# KiCad board Soldermander.kicad_pcb (continued)
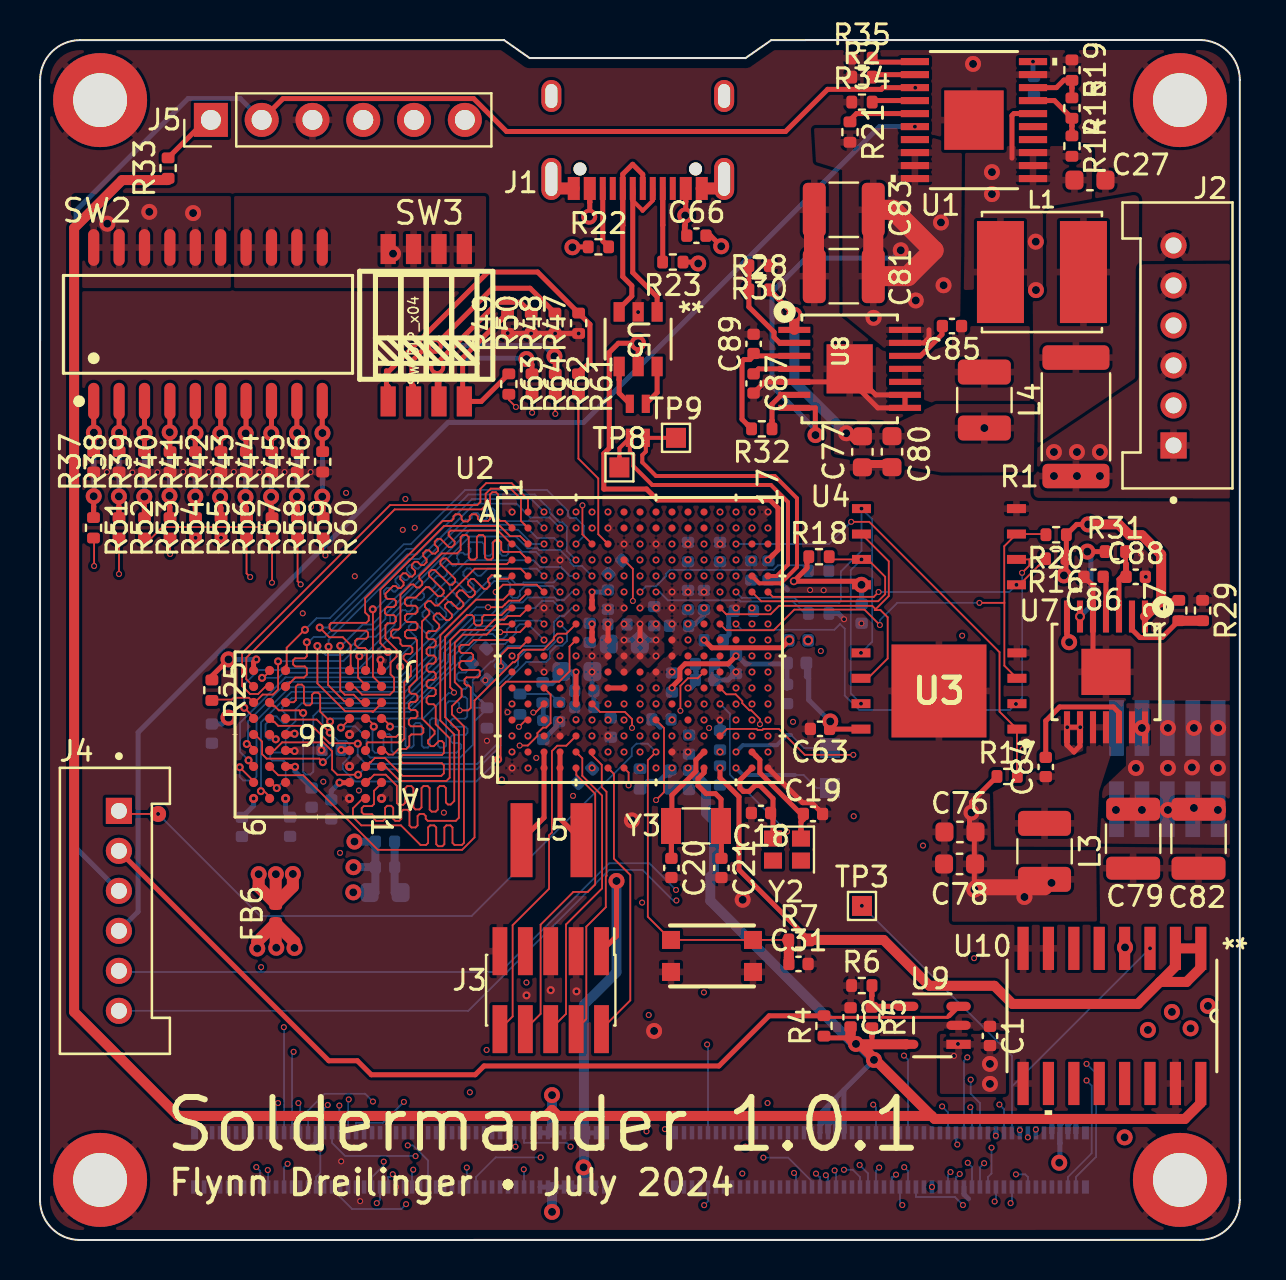
[diagram p0: board, top side]
## Routing (per net, layer and track width the routed paths; a pad name or vN(x,y) marks a point on that pad's centre or on a via; arc(x,y) is an arc through that point) (continued)
EN_LP: length 48.2
  Top w0.15: 45.46,11.21 45.38,11.13 39.28,11.13 39.2,11.21
  Top w0.25: 45.46,11.21 U9.3 ; 39.21,11.21 39.2,11.21 36.46,11.21 33.95,8.7 22.2,8.7 21.76,8.26 16.57,8.26 15.87,8.96 14.44,8.96 J4.2 ; 39.21,11.21 R4.2 ; 39.21,11.21 39.24,11.17
ENET_RGMII_MDC: length 26.7
  Top w0.09: U2.U2 24.41,23.6 v1(24.41,23.59)
  In2.Cu w0.09: v1(24.41,23.59) 10.82,10 v1(10.82,3.65)
  Bottom w0.09: J7.85 11.01,3.46 v1(10.82,3.65)
ENET_RGMII_RX_EN: length 36.9
  Top w0.09: U2.E13 33.21,33.21 v1(33.21,33.21)
  In1.Cu w0.09: v1(26.53,4.67) 29.97,4.67 30.62,5.31 30.62,6.02 30.1,6.54 30.1,16.44 30.41,16.75 30.41,26.99 30.31,27.09 30.31,27.8 31.32,28.81 31.32,29.42 32.31,30.41 32.5,30.41 32.81,30.72 32.81,32.81 v1(33.21,33.21)
  Bottom w0.09: v1(26.53,4.67) 26.34,4.86 24.21,4.86 J7.20
ENET_RGMII_RXC: length 36.2
  Top w0.09: U2.D13 33.21,34.01 v1(33.21,34.01)
  In1.Cu w0.09: v1(23.78,4.67) 24.63,3.82 25.2,3.82 27.68,6.29 27.68,21.31 28.73,22.36 28.73,27.5 30.41,29.18 30.41,30.05 30.76,30.41 30.86,30.41 31.21,30.76 31.21,31.68 31.54,32.01 31.66,32.01 32.01,32.36 32.01,32.46 32.24,32.69 32.32,32.69 32.87,33.25 32.87,33.68 v1(33.21,34.01)
  Bottom w0.09: v1(23.78,4.67) 23.81,4.7 J7.22
ENET_RGMII_RXD0: length 0
  Top w0.09: v1(31.6,34) U2.D11
ENET_RGMII_RXD1: length 0
  Top w0.09: v1(31.6,33.2) U2.E11
ENET_RGMII_RXD2: length 0
  Top w0.09: v1(30.81,33.2) U2.E10
ENET_RGMII_RXD3: length 0
  Top w0.09: v1(31.6,34.8) U2.C11
ENET_RGMII_TX_EN_BT: length 26.7
  Top w0.09: v1(7.78,35.12) R55.2 ; v1(34.01,35.61) U2.B14 v1(34.01,35.61)
  In2.Cu w0.09: v1(7.78,35.12) 8.14,34.76 24.61,34.76 24.94,35.09 33.49,35.09 v1(34.01,35.61)
ENET_RGMII_TXC_BT: length 25.5
  Top w0.09: v1(9.05,35.12) R56.2 ; v1(34.01,36.41) U2.A14 v1(34.01,36.41)
  In2.Cu w0.09: v1(9.05,35.12) 10.04,36.11 33.71,36.11 v1(34.01,36.41)
ENET_RGMII_TXD0_BT: length 27.7
  Top w0.09: 6.5,35.12 R54.2 6.5,34.31 v1(6.51,34.31) ; v1(33.21,34.81) U2.C13 v1(33.21,34.81)
  In2.Cu w0.09: v1(33.21,34.81) 32.92,34.52 29.09,34.52 29.09,34.52 26.93,34.52 26.92,34.52 26.69,34.52 26.68,34.52 26.13,34.52 26.12,34.52 25.89,34.52 25.89,34.52 25.33,34.52 25.32,34.52 25.09,34.52 25.09,34.52 6.72,34.52 v1(6.51,34.31)
ENET_RGMII_TXD1_BT: length 30.1
  Top w0.09: 5.24,35.12 R53.2 ; 5.24,35.12 5.58,35.12 6.12,35.66 v1(11.06,35.66) ; 5.24,35.12 5.23,35.12 ; v1(34.81,36.41) U2.A15 v1(34.81,36.41)
  In2.Cu w0.09: v1(34.81,36.41) 34.33,35.93 11.33,35.93 v1(11.06,35.66)
ENET_RGMII_TXD2_BT: length 30.5
  Top w0.09: 3.95,35.12 R52.2 v1(3.95,33.31) ; v1(32.41,33.21) U2.E12 v1(32.41,33.21)
  In2.Cu w0.09: v1(3.95,33.31) 4.15,33.5 30.56,33.5 30.64,33.58 32.03,33.58 v1(32.41,33.21)
ENET_RGMII_TXD3_BT: length 29.7
  Top w0.09: v1(2.71,33.71) 2.71,35.08 R51.2 ; v1(30.81,34.01) U2.D10 v1(30.81,34.01)
  In2.Cu w0.09: v1(30.81,34.01) 30.48,33.68 2.73,33.68 v1(2.71,33.71)
FlexSPI_A_CLK: length 17.5
  Top w0.09: 41.83,31.5 41.74,31.5 41.79,31.55 ; 41.83,31.5 42.03,31.5 42.39,31.14 42.39,29.08 41.4,28.09 U3.6 ; 41.83,31.5 41.79,31.55 ; U2.G14 34.32,31.29 36.53,31.29 36.95,31.71 41.62,31.71 41.79,31.55 ; 41.79,31.55 42.45,32.21 42.45,33.94 41.08,35.31 U4.6
FlexSPI_A_D0: length 18.2
  Top w0.09: v1(41.08,36.58) U4.5 ; v1(34.81,32.41) U2.F15 v1(34.81,32.41)
  Bottom w0.09: v1(34.81,32.41) 35.1,32.11 37.73,32.11 37.97,31.87 39.97,31.87 40.05,31.95 40.05,33.43 41.08,34.46 v1(41.08,36.58) 41.62,36.04 41.62,29.92 v1(41.06,29.36)
FlexSPI_A_D1: length 26.3
  Top w0.09: v1(49.11,33.37) 49.48,33.73 49.48,34.04 U4.2 ; U3.2 48.84,26.81 v1(48.81,26.81) ; U3.2 48.86,26.82 U3.2
  Bottom w0.09: v1(34.81,30.81) 35.09,30.52 39.72,30.52 40.01,30.8 40.25,30.57 40.25,27.23 40.97,26.51 48.51,26.51 v1(48.81,26.81) 49.12,27.12 49.12,33.37 v1(49.11,33.37)
FlexSPI_A_D2: length 25
  Top w0.09: 50.31,35.27 R20.2 50.31,35.27 ; 50.31,35.27 50.29,35.29 ; 48.23,31.86 v1(46.98,31.86) ; 48.23,31.86 48.23,32.41 48.22,32.41 48.22,34.7 U4.3 50.27,35.31 50.29,35.29 ; 48.23,31.86 48.23,28.72 48.86,28.09 ; v1(42,30.75) 41.23,31.52 37.72,31.52 36.69,30.49 34.32,30.49 U2.H14 ; 50.29,35.29 50.3,35.29 50.32,35.27 ; 48.86,28.09 U3.3 48.86,28.09
  Bottom w0.09: v1(42,30.75) 42,30.99 42.87,31.86 v1(46.98,31.86)
FlexSPI_A_D3: length 18.8
  Top w0.09: 35.61,32.41 U2.F16 35.61,32.41 ; 35.61,32.41 36.07,31.95 41.92,31.95 42.27,32.3 42.27,33.17 41.4,34.04 v1(41.08,34.04) U4.7 39.59,34.04 39.47,34.16 ; 39.47,34.16 39.46,34.17 ; 39.47,34.16 R18.2
  Bottom w0.09: v1(41.06,26.82) 40.55,27.33 40.55,33.5 v1(41.08,34.04)
FlexSPI_A_SS0: length 15.3
  Top w0.09: 49.93,33.71 49.94,33.71 50.3,34.07 ; 49.93,33.71 R16.2 ; 49.93,33.71 48.98,32.77 v1(48.83,32.77) ; v1(41.94,32.41) 41.7,32.17 36.65,32.17 36.52,32.29 36.46,32.35 36.41,32.41 U2.F17
  Bottom w0.09: v1(48.83,32.77) 48.47,32.41 v1(41.94,32.41)
FlexSPI_A_SS1: length 22.9
  Top w0.09: 48.87,23.19 48.87,23.18 ; 48.87,23.19 48.86,23.2 U3.1 ; 48.87,23.19 R17.2 ; 48.86,25.55 U3.1 ; 48.86,25.55 U3.1 ; 48.86,25.55 47.99,26.42 47.99,29.4 41.47,35.92 v1(40.57,35.92) ; v1(34.81,34.81) U2.C15
  Bottom w0.09: v1(34.81,34.81) 39.46,34.81 v1(40.57,35.92)
GPIO_AD_00: length 32.5
  Top w0.09: U2.N12 32.41,26.81 v1(32.41,26.81)
  In1.Cu w0.09: v1(46.71,14.1) 46.84,13.96 46.84,4.21 v1(47.21,3.84)
  In4.Cu w0.09: v1(46.71,14.1) 46.71,16.12 36.39,26.45 32.78,26.45 v1(32.41,26.81)
  Bottom w0.09: v1(47.21,3.84) 47.01,3.63 J6.25
GPIO_AD_01: length 31.5
  Top w0.09: U2.R14 34.36,25.56 35.84,25.56 35.89,25.51 36.12,25.51 36.17,25.56 36.95,25.56 38.25,24.26 v1(40.67,24.26)
  In1.Cu w0.09: v1(46.39,3.86) 46.38,3.86 44.44,5.8 44.44,20.49 v1(40.67,24.26)
  Bottom w0.09: v1(46.39,3.86) 46.61,3.65 J6.27
GPIO_AD_02: length 30.2
  Top w0.09: U2.R13 33.21,25.21 v1(33.21,25.21)
  In1.Cu w0.09: v1(33.2,12.38) 33.2,25.21 v1(33.21,25.21)
  In4.Cu w0.09: v1(45.99,3.3) 45.99,3.34 43.92,5.42 42,5.42 35.04,12.38 v1(33.2,12.38)
  Bottom w0.09: J6.31 45.81,3.15 45.84,3.15 v1(45.99,3.3)
GPIO_AD_03: length 28.5
  In1.Cu w0.09: v1(40.69,21.19) 43.8,18.08 43.8,5.13 v1(45.53,3.4)
  In4.Cu w0.09: v1(34.81,26.01) 35.21,25.61 35.66,25.61 36.01,25.26 36.01,25.16 36.36,24.81 37.08,24.81 v1(40.69,21.19)
  Bottom w0.09: v1(45.53,3.4) 45.41,3.27 J6.33
GPIO_AD_06: length 36.5
  Top w0.09: U2.N13 33.21,26.8 v1(33.22,26.8)
  In1.Cu w0.09: v1(46.15,1.75) 46.31,1.91 46.31,3.4 44.16,5.55 v1(44.16,19.73)
  In4.Cu w0.09: v1(44.16,19.73) 43.4,19.73 36.72,26.41 36.72,26.98 36.55,27.15 33.56,27.15 v1(33.22,26.8)
  Bottom w0.09: J6.41 43.81,2.15 45.75,2.15 v1(46.15,1.75)
GPIO_AD_07: length 26.8
  In1.Cu w0.09: v1(36.41,24.41) 36.38,24.38 v1(36.38,6.85)
  In4.Cu w0.09: v1(43.22,3.64) 40.01,6.85 v1(36.38,6.85)
  Bottom w0.09: v1(43.22,3.64) 43.41,3.45 J6.43
GPIO_AD_08: length 31.1
  In1.Cu w0.09: v1(43.12,1.75) 38.07,1.75 35.56,4.26 35.56,4.79 35.41,4.94 35.41,11.81 34.52,12.7 34.52,24.92 v1(34.81,25.21)
  Bottom w0.09: v1(43.12,1.75) 43.01,1.87 J6.45
GPIO_AD_09: length 27.9
  In1.Cu w0.09: v1(42.81,3.27) 40.08,5.99 40.08,23.49 v1(37.66,25.91)
  In2.Cu w0.09: v1(35.61,25.21) 35.82,25.21 36.22,25.61 37.35,25.61 v1(37.66,25.91)
  Bottom w0.09: J6.47 42.61,3.15 42.69,3.15 v1(42.81,3.27)
GPIO_AD_10: length 28.2
  In1.Cu w0.09: v1(36.41,25.21) 36.1,24.9 36.1,5.59 38.97,2.71 41.06,2.71 v1(41.97,3.62)
  Bottom w0.09: v1(41.97,3.62) 41.81,3.46 J6.51
GPIO_AD_11: length 26.8
  In1.Cu w0.09: v1(40.99,3.75) 38.98,5.76 38.98,23.91 36.59,26.31 35.91,26.31 v1(35.61,26.01)
  Bottom w0.09: v1(40.99,3.75) 41.41,3.33 J6.53
GPIO_AD_12: length 25.5
  In1.Cu w0.09: v1(40.2,3.51) 38.03,5.69 38.03,24.39 v1(36.41,26.01)
  Bottom w0.09: J6.55 41.01,3.15 40.64,3.51 v1(40.2,3.51)
GPIO_AD_14: length 26.6
  Top w0.09: v1(34.01,26.81) 34.01,26.81 U2.N14
  In1.Cu w0.09: v1(37.36,20.42) 37.36,5.86 v1(39.74,3.48)
  Bottom w0.09: J6.61 39.81,3.41 v1(39.74,3.48) ; v1(37.36,20.42) 34.5,23.28 34.5,26.32 v1(34.01,26.81)
GPIO_AD_15: length 27.7
  Top w0.09: U2.M14 34.32,27.29 34.79,27.29 35.12,26.96 35.12,26.85 35.47,26.49 35.57,26.49 36,26.05 v1(36,25.8)
  In1.Cu w0.09: v1(36,25.8) 36.13,25.67 36.41,25.67 36.72,25.36 36.72,5.82 v1(39.3,3.24)
  Bottom w0.09: v1(39.3,3.24) 39.39,3.15 39.41,3.15 J6.63
GPIO_AD_16: length 29
  Top w0.09: v1(36.41,26.81) 36.41,26.81 U2.N17
  In1.Cu w0.09: v1(36.41,26.81) 36.41,26.75 39.85,23.32 39.85,5.73 41.31,4.27 41.31,3.58 40.65,2.93 39.2,2.93 v1(38.81,3.32)
  Bottom w0.09: v1(38.81,3.32) 38.98,3.15 39.01,3.15 J6.65
GPIO_AD_17: length 26.5
  Top w0.09: U2.N15 34.81,26.8 v1(34.81,26.79)
  In1.Cu w0.09: v1(34.81,26.79) 35.14,26.47 35.14,19.73 35.69,19.17 35.69,4.91 36.17,4.43 v1(36.17,4.12)
  Bottom w0.09: v1(36.17,4.12) 37.41,4.12 38.61,2.92 J6.67
GPIO_AD_18: length 26.5
  Top w0.09: U2.M16 35.61,27.61 v1(35.6,27.61)
  In1.Cu w0.09: v1(35.6,27.61) 35.9,27.31 35.9,26.65 35.59,26.34 35.5,26.34 35.32,26.16 35.32,25.81 35.63,25.49 35.72,25.49 35.89,25.32 35.89,5.17 v1(37.71,3.35)
  Bottom w0.09: v1(37.71,3.35) 37.81,3.25 J6.71
GPIO_AD_19: length 0
  Top w0.09: U2.L16 v1(35.6,28.4)
GPIO_AD_23: length 0
  Top w0.09: U2.J12 32.41,30.01 v1(32.41,30.01)
GPIO_AD_27: length 0
  Top w0.09: v1(35.61,26.8) U2.N16
GPIO_AD_28: length 30.1
  Top w0.09: U2.L17 v1(36.41,28.4)
  In1.Cu w0.09: v1(36.41,28.4) 36.01,28.01 35.53,28.01 35.24,27.72 35.24,27.59 34.95,27.31 34.87,27.31 34.33,26.77 34.33,11.69 35.15,10.87 35.15,4.8 v1(35.28,4.67)
  In4.Cu w0.09: v1(35.28,4.67) 33.21,2.61 v1(33.21,1.74)
  Bottom w0.09: J6.93 33.41,1.94 v1(33.21,1.74)
GPIO_AD_29: length 0
  Top w0.09: v1(36.4,27.6) U2.M17
GPIO_AD_30: length 0
  Top w0.09: U2.K17 v1(36.4,29.21)
GPIO_AD_31: length 0
  Top w0.09: U2.J17 v1(36.4,30)
GPIO_AD_32: length 0
  Top w0.09: v1(35.6,29.21) U2.K16
GPIO_AD_33: length 27
  Top w0.09: v1(36.41,30.8) U2.H17
  In1.Cu w0.09: v1(33.36,9.78) 33.5,9.91 33.5,25.57 v1(33.46,25.6)
  In2.Cu w0.09: v1(33.46,25.6) 33.51,25.66 33.51,28.38 35.54,30.41 36.01,30.41 v1(36.41,30.8)
  Bottom w0.09: v1(33.36,9.78) 33.41,9.74 J6.94
GPIO_AD_34: length 0
  Top w0.09: U2.J16 35.61,30 v1(35.62,30)
GPIO_AD_35: length 0
  Top w0.09: v1(36.41,31.6) U2.G17
GPIO_DISP_B2_00: length 21
  Top w0.09: R57.2 10.33,33.33 v1(10.51,33.15) ; v1(29.21,33.21) 29.21,33.21 U2.E8
  In2.Cu w0.09: v1(29.21,33.21) 28.88,32.88 13.6,32.88 13.32,33.16 10.51,33.16 v1(10.51,33.15)
GPIO_DISP_B2_01: length 20.4
  Top w0.09: v1(11.6,32.87) 11.6,32.88 R58.2 ; U2.F8 29.21,32.41 v1(29.21,32.41)
  In2.Cu w0.09: v1(11.6,32.87) 11.61,32.86 11.61,32.85 12.52,31.94 28.74,31.94 v1(29.21,32.41)
GPIO_DISP_B2_02: length 19.6
  Top w0.09: U2.E9 30.01,33.21 v1(30.01,33.21) ; R59.2 12.88,32.94 v1(13.03,32.79)
  In2.Cu w0.09: v1(13.03,32.79) 13.12,32.7 29.5,32.7 v1(30.01,33.21)
GPIO_DISP_B2_03: length 15.3
  Top w0.09: v1(14.27,34.24) 14.16,34.35 R60.2
  In2.Cu w0.09: 14.26,34.22 v1(14.27,34.24) 14.33,34.29 27.11,34.29 27.16,34.34 27.82,34.34 28.16,34.01 v1(28.41,34.01)
GPIO_DISP_B2_04: length 9.8
  Top w0.09: 28.25,34.96 28.33,34.88 ; 28.25,34.96 27.92,35.29 27.92,38.08 26.93,39.08 26.93,40.9 ; 28.25,34.96 28.41,34.81 ; 28.33,34.88 U2.C7 28.33,34.88 ; 26.93,40.9 26.93,42.31 ; 26.93,40.9 R61.2
GPIO_DISP_B2_05: length 9.9
  Top w0.09: v1(25.77,41.31) 25.77,41.46 25.77,41.47 R62.2 ; v1(30.01,34.8) U2.C9
  In1.Cu w0.09: v1(30.01,34.8) 28.92,35.89 28.19,35.89 27.89,36.19 27.89,36.52 26.1,38.31 25.77,38.31 v1(25.77,41.31)
GPIO_DISP_B2_06: length 43.2
  Top w0.09: v1(27.13,36.74) 27.13,35.29 U2.C6
  In1.Cu w0.09: v1(18.74,35.62) 18.74,22.87 18.61,22.74 18.61,7.32 v1(18.2,6.91)
  In4.Cu w0.09: v1(27.13,36.74) 19.86,36.74 v1(18.74,35.62)
  Bottom w0.09: J7.62 15.81,5.86 17.15,5.86 v1(18.2,6.91)
GPIO_DISP_B2_07: length 34.9
  Top w0.09: U2.D6 27.61,34.01 v1(27.61,34.01)
  In1.Cu w0.09: v1(15.44,7.03) 16.29,7.88 16.29,22.13 v1(15.95,22.48)
  In4.Cu w0.09: v1(15.95,22.48) 16.29,22.48 21.18,27.37 21.18,28.02 25.25,32.09 26.1,32.09 26.47,32.46 26.47,33.3 26.89,33.72 27.31,33.72 v1(27.61,34.01)
  Bottom w0.09: J7.64 15.41,6.99 v1(15.44,7.03)
GPIO_DISP_B2_08: length 41.1
  Top w0.09: U2.B5 26.81,35.61 v1(26.81,35.61)
  In1.Cu w0.09: v1(14.97,6.72) 15.13,6.56 15.5,6.56 17.85,8.92 17.85,28.35 17.68,28.53 17.68,28.81 18.14,29.28 v1(18.14,35.51)
  In2.Cu w0.09: v1(26.81,35.61) 26.5,35.31 18.35,35.31 v1(18.14,35.51)
  Bottom w0.09: v1(14.97,6.72) 14.97,5.9 15.01,5.86 J7.66
GPIO_DISP_B2_09: length 40.9
  Top w0.09: v1(29.65,31.96) 29.65,33.56 U2.D8
  In1.Cu w0.09: v1(23.1,23.03) 23.1,8.51 v1(18.78,4.19)
  In2.Cu w0.09: v1(23.1,23.03) 23.1,23.5 24.04,24.44 24.11,24.44 24.27,24.61 24.27,24.67 27.1,27.5 27.1,28.36 27.6,28.86 27.67,28.86 28.66,29.85 28.66,29.99 29.07,30.41 30.07,30.41 30.3,30.63 30.3,31.77 30.1,31.96 v1(29.65,31.96)
  Bottom w0.09: J7.68 14.61,4.86 15.26,4.21 18.77,4.21 v1(18.78,4.19)
GPIO_DISP_B2_10: length 37.1
  Top w0.09: v1(30,34.01) U2.D9
  In1.Cu w0.09: v1(15,19.36) 14.39,18.74 v1(14.39,6.75)
  In4.Cu w0.09: v1(30,34.01) 29.61,33.62 29.61,33.16 29.26,32.81 29.16,32.81 28.7,32.35 28.7,32.25 28.46,32.01 27.83,32.01 26.91,31.09 25.81,31.09 25.6,30.89 25.6,30.76 25.25,30.41 23.91,30.41 21.65,28.14 21.65,27.57 15,20.92 v1(15,19.36)
  Bottom w0.09: J7.70 14.21,6.57 v1(14.39,6.75)
GPIO_DISP_B2_11: length 45.6
  Top w0.09: v1(27.61,36.4) U2.A6
  In1.Cu w0.09: v1(18.27,37.06) 18.45,36.88 18.45,22.83 18.43,22.82 18.43,8.7 v1(16.65,6.92)
  In4.Cu w0.09: v1(18.27,37.06) 27.21,37.06 27.61,36.66 v1(27.61,36.4)
  Bottom w0.09: J7.74 13.41,6.48 14.24,7.31 16.26,7.31 v1(16.65,6.92)
GPIO_DISP_B2_12: length 42
  Top w0.09: U2.B6 27.61,35.6 v1(27.62,35.6)
  In1.Cu w0.09: v1(12.92,6.85) 13.73,7.65 13.73,26.28 15.59,28.15 15.59,33.05 v1(15.74,33.19)
  In4.Cu w0.09: v1(27.62,35.6) 27.23,35.21 25.95,35.21 25.72,34.98 25.72,34.89 25.12,34.29 16.84,34.29 v1(15.74,33.19)
  Bottom w0.09: J7.76 13.01,6.76 v1(12.92,6.85)
GPIO_DISP_B2_13: length 45.1
  Top w0.09: v1(26.8,36.41) U2.A5
  In1.Cu w0.09: v1(12.68,9.41) 13.53,10.26 13.53,26.34 15.39,28.2 15.39,37.28 v1(15.31,37.36)
  In2.Cu w0.09: v1(15.31,37.36) 25.85,37.36 v1(26.8,36.41)
  Bottom w0.09: v1(12.68,9.41) 12.61,9.34 J7.78
GPIO_DISP_B2_14: length 44.1
  Top w0.09: v1(28.4,36.41) U2.A7
  In1.Cu w0.09: v1(12.19,10.64) 13.26,11.71 13.26,25.46 12.82,25.9 12.82,31.02 v1(13.14,31.34)
  In4.Cu w0.09: v1(13.14,31.34) 16.89,35.09 25.12,35.09 25.72,35.69 25.72,35.73 26,36 27.99,36 v1(28.4,36.41)
  Bottom w0.09: v1(12.19,10.64) 12.21,10.63 J7.80
GPIO_DISP_B2_15: length 46
  Top w0.09: U2.A4 v1(26,36.4)
  In1.Cu w0.09: v1(11.9,6.85) 10.29,8.47 10.29,22.44 12.29,24.44 12.29,35.4 v1(13.55,36.67)
  In2.Cu w0.09: v1(26,36.4) 25.67,36.73 14.47,36.73 14.34,36.6 13.62,36.6 v1(13.55,36.67)
  Bottom w0.09: J7.82 11.81,6.75 v1(11.9,6.85)
GPIO_EMC_B1_40: length 31.4
  Top w0.09: U2.K1 23.61,29.21 v1(23.61,29.21)
  In4.Cu w0.09: v1(41.67,6.77) 32.11,16.33 32.11,19.61 26.39,25.33 26.39,26.43 v1(23.61,29.21)
  Bottom w0.09: J6.52 41.81,6.63 v1(41.67,6.77)
GPIO_EMC_B2_01: length 32.3
  Top w0.09: v1(26,29.21) U2.K4
  In1.Cu w0.09: v1(20.2,21.37) 20.2,6.54 v1(18.39,4.73)
  In4.Cu w0.09: v1(26,29.21) 25.68,29.53 23.35,29.53 21.98,28.17 21.98,23.16 v1(20.2,21.37)
  Bottom w0.09: v1(18.39,4.73) 18.65,4.73 19.41,3.98 J7.43
GPIO_EMC_B2_03: length 24.7
  Top w0.09: U2.R1 23.61,25.21 v1(23.6,25.21)
  In1.Cu w0.09: v1(23.6,25.21) 23.29,24.9 23.29,23.24 23.38,23.15 23.38,8.24 v1(18.66,3.52)
  Bottom w0.09: v1(18.66,3.52) 18.61,3.46 J7.47
GPIO_EMC_B2_05: length 31.9
  Top w0.09: v1(23.6,26.81) 23.61,26.81 U2.N1
  In1.Cu w0.09: v1(17.64,3.29) 17.37,3.29 16.88,3.79 16.88,5.12 18.85,7.1 18.85,22.73 20.55,24.43 20.55,24.54 23.29,27.28 24.17,27.28 24.96,26.5 24.96,26.25 24.75,26.04 24.37,26.04 v1(23.6,26.81)
  Bottom w0.09: v1(17.64,3.29) 17.5,3.15 17.41,3.15 J7.53
GPIO_EMC_B2_06: length 26.9
  Top w0.09: U2.T1 23.61,24.41 v1(23.6,24.41)
  In1.Cu w0.09: v1(23.6,24.41) 23.92,24.09 23.92,8.36 17.4,1.84 v1(16.84,1.84)
  Bottom w0.09: v1(16.84,1.84) 17.01,2.01 J7.55
GPIO_EMC_B2_07: length 29.4
  Top w0.09: U2.M3 25.53,27.28 25.53,25.85 25.31,25.63 25.15,25.63 24.87,25.35 24.87,25.21 24.4,24.73 v1(23.99,24.73)
  In1.Cu w0.09: v1(24.33,12.88) 24.11,13.1 24.11,24.61 v1(23.99,24.73)
  In4.Cu w0.09: v1(17.19,3.92) 17.19,4.06 21.18,8.05 21.18,9.77 24.28,12.88 v1(24.33,12.88)
  Bottom w0.09: J7.57 16.61,3.15 17.19,3.73 v1(17.19,3.92)
GPIO_EMC_B2_10: length 30.4
  Top w0.09: U2.R2 24.41,25.21 v1(24.4,25.21)
  In1.Cu w0.09: v1(18.31,1.79) 24.73,8.21 24.73,23.79 24.4,24.12 v1(24.4,25.21)
  Bottom w0.09: J7.65 15.01,2.15 15.61,1.55 18.06,1.55 v1(18.31,1.79)
GPIO_EMC_B2_13: length 35.7
  Top w0.09: U2.K5 26.81,29.21 v1(26.81,29.21)
  In1.Cu w0.09: v1(14.17,22.92) 14.02,22.77 v1(14.02,4.56)
  In2.Cu w0.09: v1(26.81,29.21) 25.09,27.49 22.68,27.49 19.24,24.05 15.3,24.05 v1(14.17,22.92)
  Bottom w0.09: v1(14.02,4.56) 14.02,3.36 13.81,3.15 J7.71
GPIO_EMC_B2_16: length 31.2
  Top w0.09: U2.P2 24.29,26.01 v1(23.95,25.66)
  In1.Cu w0.09: v1(22.33,9.5) 22.33,24.42 23.58,25.66 v1(23.95,25.66)
  In2.Cu w0.09: v1(12.38,3.81) 14.3,3.81 19.99,9.5 v1(22.33,9.5)
  Bottom w0.09: J7.79 12.21,3.64 v1(12.38,3.81)
GPIO_EMC_B2_18: length 35.3
  Top w0.09: v1(24.67,26.38) 24.78,26.38 U2.N3
  In1.Cu w0.09: v1(24.67,26.38) 23.95,27.1 23.46,27.1 21.5,25.13 v1(21.5,7.39)
  In2.Cu w0.09: v1(21.5,7.39) 19.38,7.39 15.49,3.5 v1(11.39,3.5)
  Bottom w0.09: v1(11.39,3.5) 11.41,3.48 J7.83
GPIO_LPSR_00: length 39.3
  Top w0.09: v1(29.61,25.61) 29.61,26.05 29.25,26.41 28.01,26.41 U2.N6
  In4.Cu w0.09: v1(52.34,8.81) 51.49,8.81 35.55,24.75 33.24,24.75 32.81,25.18 32.81,25.26 32.46,25.61 v1(29.61,25.61)
  Bottom w0.09: v1(52.34,8.81) 52.81,8.33 52.81,4.16 51.81,3.15 J6.1
GPIO_LPSR_01: length 38
  Top w0.09: U2.R6 27.61,25.21 v1(27.6,25.21)
  In2.Cu w0.09: v1(27.6,25.21) 27.6,24.81 29.39,23.02 37.29,23.02 v1(52.34,7.98)
  Bottom w0.09: J6.3 51.41,3.15 52.59,4.34 52.59,7.72 v1(52.34,7.98)
GPIO_LPSR_02: length 18.6
  Top w0.09: v1(27.61,26) U2.P6 ; R63.2 23.45,42.01 v1(23.8,41.66)
  In1.Cu w0.09: v1(27.61,26) 25.49,28.12 25.49,40.89 24.73,41.66 v1(23.8,41.66)
GPIO_LPSR_03: length 19.9
  Top w0.09: v1(28.41,24.41) 28.41,24.41 U2.T7 ; v1(24.61,41.37) 24.61,41.4 24.61,41.41 R64.2
  In1.Cu w0.09: v1(28.41,24.41) 27.81,24.41 26.29,25.93 26.29,26.12 26.13,26.29 25.93,26.29 24.61,27.61 v1(24.61,41.37)
GPIO_LPSR_04: length 0
  Top w0.09: U2.N7 28.41,26.81 v1(28.41,26.81)
GPIO_LPSR_05: length 33.6
  Top w0.09: v1(29.21,26.81) 29.21,26.81 U2.N8
  In4.Cu w0.09: v1(29.21,26.81) 28.89,26.5 28.89,24.32 29.09,24.12 29.92,24.12 30.4,23.64 30.4,23.53 46.97,6.97 46.97,5.64 47.7,4.91 47.82,4.91 48.8,3.92 v1(48.8,3.28)
  Bottom w0.09: J6.13 49.41,3.15 49.27,3.28 v1(48.8,3.28)
GPIO_LPSR_06: length 0
  Top w0.09: U2.P8 v1(29.21,26)
GPIO_LPSR_07: length 33.4
  Top w0.09: v1(29.2,25.21) 29.21,25.21 U2.R8
  In4.Cu w0.09: v1(29.2,25.21) 29.71,24.7 30.16,24.7 30.4,24.46 30.4,24.36 30.86,23.9 30.97,23.9 31.19,23.67 31.19,23.27 45.73,8.73 46.27,8.73 46.84,8.16 46.84,7.47 48.54,5.77 48.54,4.99 49.15,4.38 49.15,2.45 v1(48.54,1.84)
  Bottom w0.09: v1(48.54,1.84) 48.61,1.91 J6.17
GPIO_LPSR_08: length 30.2
  Top w0.09: v1(29.44,22.74) 29.44,23.38 U2.U8
  In4.Cu w0.09: v1(47.74,1.93) 47.74,2.06 43.04,6.76 43.04,6.92 42.87,7.09 42.71,7.09 33.32,16.47 33.32,18.85 v1(29.44,22.74)
  Bottom w0.09: J6.21 47.81,1.99 v1(47.74,1.93)
GPIO_LPSR_09: length 32.8
  Top w0.09: U2.P5 26.81,26.03 v1(26.8,26.03)
  In4.Cu w0.09: v1(47.59,4.62) 45.39,6.81 45.39,7.82 30.93,22.29 30.66,22.29 29.01,23.94 28.43,23.94 27.9,24.47 27.9,25.37 27.65,25.61 27.22,25.61 v1(26.8,26.03)
  Bottom w0.09: v1(47.59,4.62) 47.59,3.33 47.41,3.15 J6.23
GPIO_SD_B1_00: length 35.1
  Top w0.09: U2.B16 35.61,35.61 v1(35.61,35.61)
  In1.Cu w0.09: v1(35.61,35.61) 36.79,34.44 36.79,32.67 45.43,24.03 45.43,14.18 46.19,13.41 46.19,9.69 46.06,9.56 46.06,8.49 v1(46.54,8.02)
  Bottom w0.09: v1(46.54,8.02) 46.54,7.31 47.01,6.85 J6.26
GPIO_SD_B1_01: length 33.6
  Top w0.09: U2.D15 34.81,34.01 v1(34.81,34.01)
  In1.Cu w0.09: v1(34.81,34.01) 34.98,34.01 45.22,23.78 45.22,7.95 v1(46.52,6.64)
  Bottom w0.09: v1(46.52,6.64) 46.61,6.56 J6.28
GPIO_SD_B1_03: length 34.5
  Top w0.09: U2.B17 v1(36.4,35.6)
  In1.Cu w0.09: v1(36.4,35.6) 37.14,34.87 37.14,32.78 45.63,24.29 45.63,15.94 46.37,15.19 v1(46.37,9.13)
  Bottom w0.09: J6.30 46.21,8.97 v1(46.37,9.13)
GPIO_SD_B1_04: length 36.6
  Top w0.09: v1(34.81,35.61) 34.81,35.61 U2.B15
  In1.Cu w0.09: v1(45.87,4.77) 44.81,5.84 44.81,22.07 37.86,29.02 37.86,30.65 34.79,33.73 34.69,33.73 34.52,33.9 34.52,34.13 34.69,34.3 34.81,34.3 35.1,34.59 35.1,35.33 v1(34.81,35.61)
  Bottom w0.09: J6.32 45.81,4.84 v1(45.87,4.77)
GPIO_SD_B1_05: length 35.1
  Top w0.09: v1(35.61,36.41) 35.61,36.41 U2.A16
  In1.Cu w0.09: v1(39.05,29.45) 45.04,23.47 45.04,6.76 v1(45.11,6.68)
  In4.Cu w0.09: v1(39.05,29.45) 39.05,30.48 36,33.52 36,36.02 v1(35.61,36.41)
  Bottom w0.09: J6.34 45.41,6.39 v1(45.11,6.68)
GPIO_SNVS_00: length 0
  Top w0.09: v1(30.81,25.21) 30.81,25.21 U2.R10
GPIO_SNVS_01: length 26.8
  Top w0.09: v1(30.81,22) 31.21,22.4 31.21,25.61 U2.P10
  In1.Cu w0.09: v1(30.81,22) 30.81,11.62 v1(30.44,11.25)
  In4.Cu w0.09: v1(30.44,11.25) 30.17,10.98 30.17,8.83 24.88,3.53 v1(24.19,3.53)
  Bottom w0.09: v1(24.19,3.53) 24.21,3.52 J7.19
GPIO_SNVS_03: length 0
  Top w0.09: U2.M10 30.81,27.6 v1(30.82,27.6)
GPIO_SNVS_04: length 0
  Top w0.09: U2.N10 30.81,26.82 v1(30.81,26.82)
GPIO_SNVS_05: length 0
  Top w0.09: v1(30.01,26) U2.P9
GPIO_SNVS_06: length 33
  Top w0.09: U2.M9 v1(30,27.6)
  In1.Cu w0.09: v1(26.66,22.21) 26.19,21.75 26.19,5.29 v1(25.04,4.13)
  In2.Cu w0.09: v1(26.66,22.21) 26.3,22.21 24.45,24.06 24.45,24.17 26,25.72 26.15,25.72 26.39,25.96 26.39,26.08 27.91,27.6 v1(30,27.6)
  Bottom w0.09: J7.31 21.81,3.15 22.79,4.13 v1(25.04,4.13)
GPIO_SNVS_07: length 29.3
  Top w0.09: v1(30,25.21) 30.01,25.21 U2.R9
  In1.Cu w0.09: v1(21.34,3.62) 24.99,7.27 24.99,23.94 v1(24.82,24.11)
  In2.Cu w0.09: v1(24.82,24.11) 26.26,25.55 27.71,25.55 28.11,25.15 28.11,25.05 28.3,24.87 29.66,24.87 v1(30,25.21)
  Bottom w0.09: v1(21.34,3.62) 21.34,3.21 21.41,3.15 J7.33
GPIO_SNVS_08: length 0
  Top w0.09: v1(30.02,26.8) 30.01,26.8 U2.N9
GPIO_SNVS_09: length 0
  Top w0.09: U2.R11 v1(31.6,25.2)
JTAG_MOD: length 0
  Bottom w0.25: v1(27.61,23.61) 27.61,23.58 R10.2
JTAG_TDI: length 15.5
  Top w0.09: U2.U5 26.81,23.44 26.82,23.43 ; J3.8 25.03,11.31 25.03,15.77 26.67,17.4 27.39,17.4 27.76,17.78 27.76,22.31 26.82,23.26 26.82,23.43 ; 26.82,23.43 26.82,23.59
JTAG_TDO: length 15.7
  Top w0.09: 26.96,24.25 27.12,24.09 27.12,23.22 28.11,22.22 28.11,17.58 26.3,15.78 26.3,11.31 J3.6 ; 26.96,24.25 U2.T5 26.96,24.25
LPUART1_RX_BOOT: length 43.7
  In1.Cu w0.09: v1(31.82,16.98) 32.73,17.88 32.73,25.93 33.09,26.29 33.11,26.29 33.5,26.69 33.5,26.92 34.19,27.61 v1(34.81,27.61)
  Bottom w0.09: v1(31.82,16.98) 31.66,16.98 30.13,18.51 28.46,18.51 21.42,11.46 J4.6
LPUART1_TX_BOOT: length 50
  Top w0.09: 33.05,28.25 32.89,28.09 32.41,28.09 32.03,27.71 v1(32.03,26.46) ; 33.05,28.25 U2.L13 33.05,28.25
  In1.Cu w0.09: v1(32.03,26.46) 32.03,21.5 31.81,21.28 v1(31.81,17.51)
  In2.Cu w0.09: v1(11.06,13.65) 10.87,13.46 J4.5
  Bottom w0.09: v1(11.06,13.65) 11.06,13.41 ; 11.06,13.41 4,13.41 ; 11.06,13.41 23.03,13.41 28.46,18.84 30.47,18.84 v1(31.81,17.51)
ONOFF: length 37.2
  Top w0.09: v1(30.81,23.6) U2.U10
  In1.Cu w0.09: 31.24,5.53 v1(31.25,5.54) 31.25,23.16 v1(30.81,23.6)
  In2.Cu w0.09: v1(31.25,5.54) 31.54,5.83 49.49,5.83 v1(49.8,5.52)
  Bottom w0.09: J6.12 49.8,5.37 v1(49.8,5.52)
OTG1_D_N: length 17.5
  Top w0.2: U2.E16 35.97,32.84 37.04,32.84 37.86,33.66 37.86,37.09 36.74,38.21 30.81,38.21 30.12,38.89 30.12,39.26 30.3,39.43 L2.3 TP9.1
OTG1_D_P: length 16.9
  Top w0.2: 36.41,33.21 36.84,33.21 37.41,33.77 37.41,36.91 36.56,37.76 30.62,37.76 29.67,38.7 29.67,39.26 29.5,39.43 L2.2 28.98,39.6 TP8.1
  Top w0.25: 36.41,33.21 U2.E17 ; 28.98,39.12 TP8.1 ; 29.5,39.77 L2.2
P_GOOD: length 61.7
  Bottom w0.25: v1(43.75,55.68) 41.98,55.68 27.18,40.88 20.4,40.88 4.91,25.39 4.91,16.42 J4.4
PMIC_ON_REQ: length 44.4
  Top w0.09: U2.U9 v1(30.01,23.6) ; TP3.1 41.11,16.71 v5(41.1,16.71)
  In1.Cu w0.09: v1(30.11,16.87) 30.11,18.83 30.13,18.86 ; 30.13,18.86 30.13,16.83 ; 30.13,18.86 30.13,23.48 v1(30.01,23.6)
  In2.Cu w0.09: 41.11,16.71 v5(41.1,16.71) 41.1,16.7 40.87,16.48 30.5,16.48 v1(30.11,16.87)
  Bottom w0.09: v5(41.1,16.71) 48.61,9.21 48.61,7.68 ; 48.61,7.68 v1(55.51,14.58) ; 48.61,7.68 J6.18 ; R8.1 30.01,23.57 v1(30.01,23.6)
PMIC_STBY_REQ: length 39.8
  Top w0.09: U2.T9 v1(30.01,24.4)
  In1.Cu w0.09: v1(49.4,5.13) 49.4,5.98 48.7,6.69 48.7,20.04 49.19,20.53 49.19,24.49 v1(49.14,24.54)
  In2.Cu w0.09: v1(30.01,24.4) 30.41,24 31.58,24 31.81,24.23 31.83,24.23 32.29,24.69 48.99,24.69 v1(49.14,24.54)
  Bottom w0.09: J6.14 49.4,5.35 v1(49.4,5.13)
POR_B: length 51.2
  Top w0.09: 37.45,14.11 37.45,14.1 C31.1 ; 37.36,15.01 SW1.A SW1.A' 30.4,16.17 30.4,24 U2.T10 v1(30.8,24.4) ; v5(5.91,21.31) 4.1,21.31
  Top w0.25: 37.33,13.81 37.33,14.41 37.44,14.41 37.45,14.41 ; 4.1,21.31 J4.1
  Top w0.5: 37.45,13.81 R7.1 37.36,15.01
  Bottom w0.09: 30.8,24.41 v1(30.8,24.4) ; 30.79,24.42 30.39,24.82 29.83,24.82 29.59,24.59 29.59,24.2 21.59,16.21 11.01,16.21 v5(5.91,21.31)